# KiCad board hvd-68-vhdci-panel.kicad_pcb (continued)
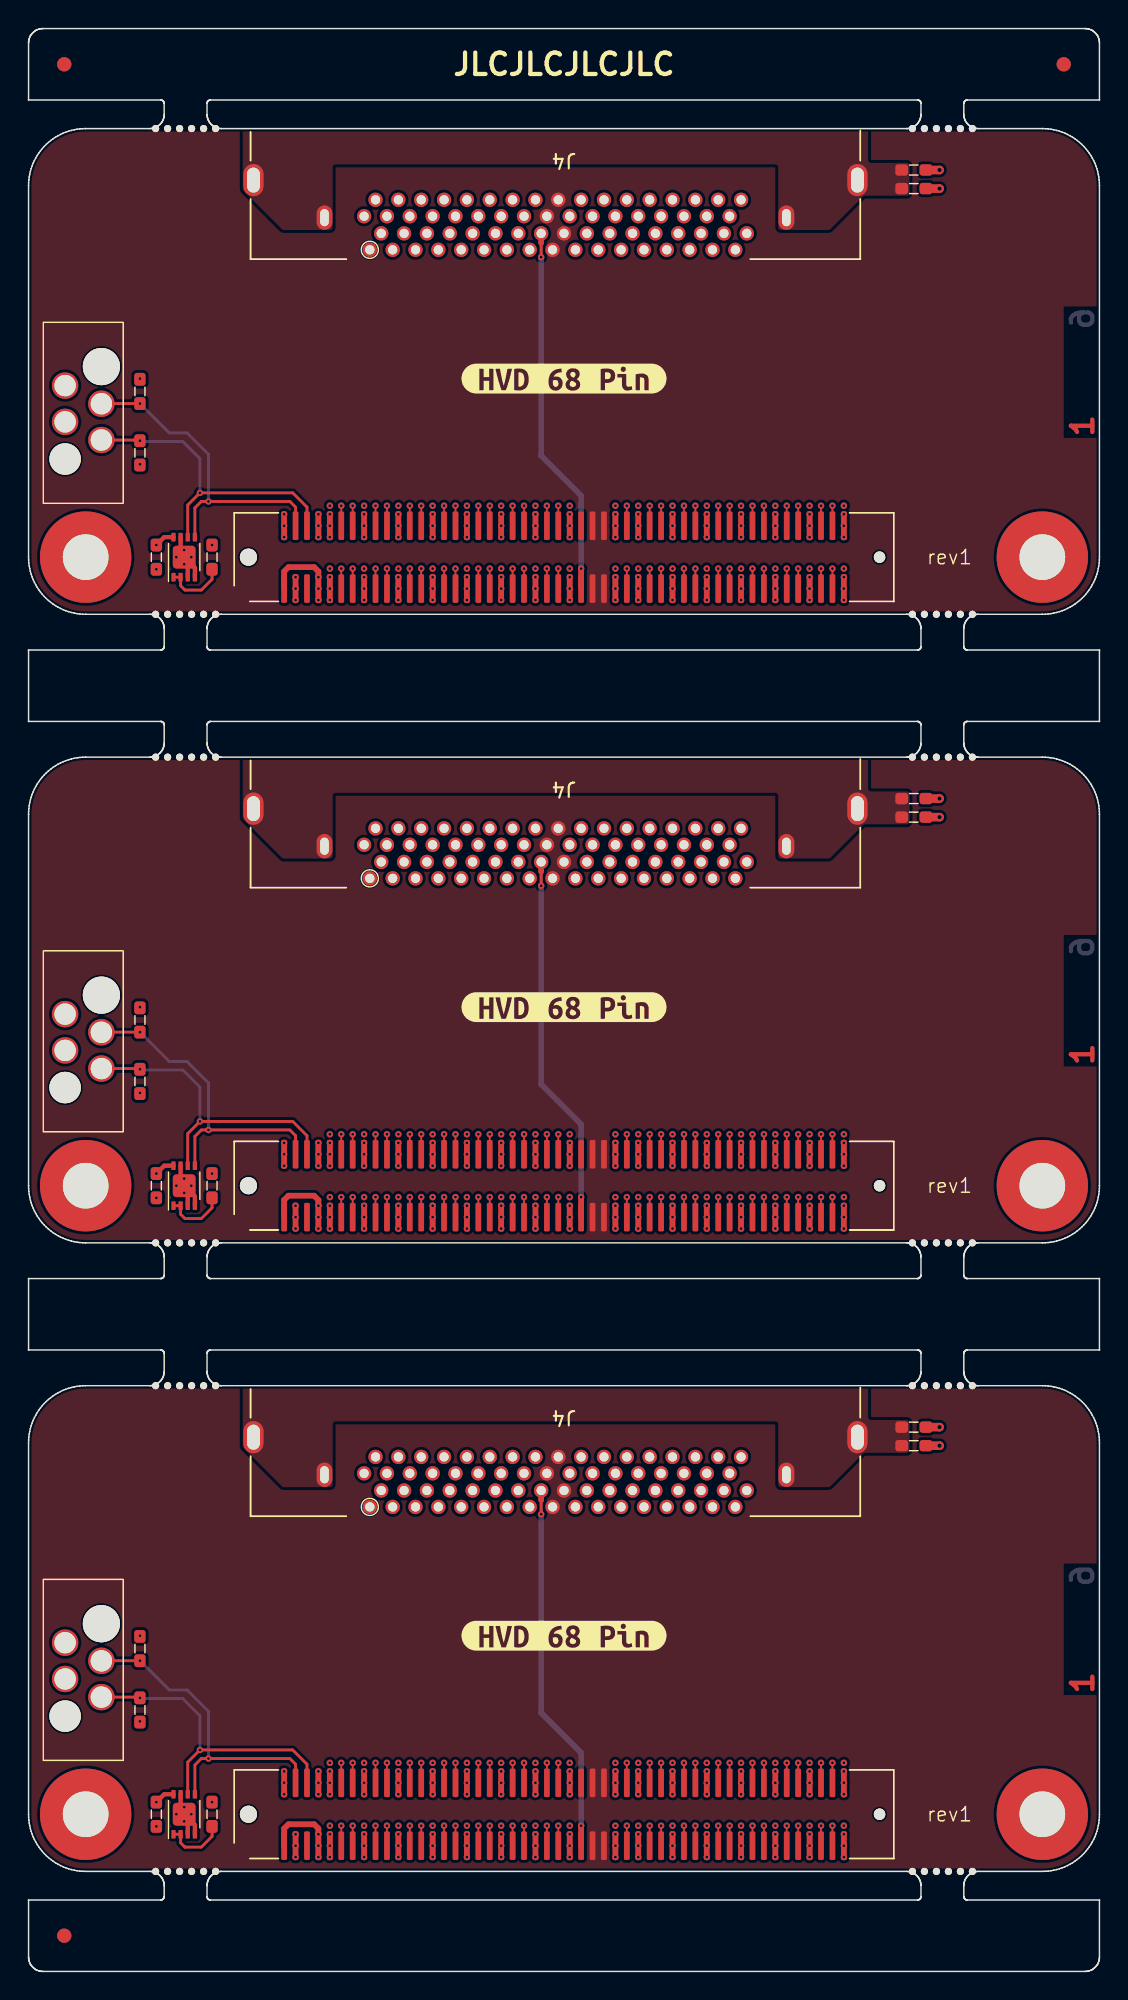
[diagram p0: board, top side]
## Routing (per net, layer and track width the routed paths; a pad name or vN(x,y) marks a point on that pad's centre or on a via; arc(x,y) is an arc through that point) (continued)
Board_0-/CON.I/O-: length 27
  Top w0.128: J1.86 v1(51.5,102.6)
  In2.Cu w0.128: v1(51.5,102.6) 45.7,108.4 45.7,110 arc(45.77,110.17) 45.93,110.23 arc(46.1,110.3) 46.16,110.47 46.16,110.6 arc(46.1,110.77) 45.93,110.83 arc(45.77,110.9) 45.7,111.07 45.7,111.2 arc(45.77,111.37) 45.93,111.43 arc(46.1,111.5) 46.16,111.67 46.16,111.8 arc(46.1,111.97) 45.93,112.03 arc(45.77,112.1) 45.7,112.27 45.7,112.4 arc(45.77,112.57) 45.93,112.63 arc(46.1,112.7) 46.16,112.87 46.16,113 arc(46.1,113.17) 45.93,113.23 arc(45.77,113.3) 45.7,113.47 45.7,113.6 arc(45.77,113.77) 45.93,113.83 arc(46.1,113.9) 46.16,114.07 46.16,114.2 arc(46.1,114.37) 45.93,114.43 arc(45.77,114.5) 45.7,114.67 45.7,114.8 arc(45.77,114.97) 45.93,115.03 arc(46.1,115.1) 46.16,115.27 46.16,115.4 arc(46.1,115.57) 45.93,115.63 arc(45.77,115.7) 45.7,115.87 45.7,120.9 46.1,121.3 46.1,122 45.9,122.2 J4#2.63
Board_0-/CON.MSG+: length 29.6
  Top w0.128: J1.73 v1(46.7,98.2)
  In3.Cu w0.128: v1(46.7,98.2) 46.3,98.6 46.3,103 42.5,106.8 42.5,110 arc(42.57,110.17) 42.74,110.24 42.74,110.24 arc(42.91,110.31) 42.98,110.48 42.98,110.6 arc(42.91,110.77) 42.74,110.84 42.74,110.84 arc(42.57,110.91) 42.5,111.08 42.5,111.2 arc(42.57,111.37) 42.74,111.44 42.74,111.44 arc(42.91,111.51) 42.98,111.68 42.98,111.8 arc(42.91,111.97) 42.74,112.04 42.74,112.04 arc(42.57,112.11) 42.5,112.28 42.5,112.4 arc(42.57,112.57) 42.74,112.64 42.74,112.64 arc(42.91,112.71) 42.98,112.88 42.98,113 arc(42.91,113.17) 42.74,113.24 42.74,113.24 arc(42.57,113.31) 42.5,113.48 42.5,113.6 arc(42.57,113.77) 42.74,113.84 42.74,113.84 arc(42.91,113.91) 42.98,114.08 42.98,114.2 arc(42.91,114.37) 42.74,114.44 42.74,114.44 arc(42.57,114.51) 42.5,114.68 42.5,114.8 arc(42.57,114.97) 42.74,115.04 42.74,115.04 arc(42.91,115.11) 42.98,115.28 42.98,115.4 arc(42.91,115.57) 42.74,115.64 42.74,115.64 arc(42.57,115.71) 42.5,115.88 42.5,116 arc(42.57,116.17) 42.74,116.24 42.74,116.24 arc(42.91,116.31) 42.98,116.48 42.98,116.6 arc(42.91,116.77) 42.74,116.84 42.74,116.84 arc(42.57,116.91) 42.5,117.08 42.5,117.2 arc(42.57,117.37) 42.74,117.44 42.74,117.44 arc(42.91,117.51) 42.98,117.68 42.98,117.8 arc(42.91,117.97) 42.74,118.04 42.74,118.04 arc(42.57,118.11) 42.5,118.28 42.5,119.92 J4#2.25
Board_0-/CON.MSG-: length 27
  Top w0.128: J1.74 v1(46.7,102.6)
  In2.Cu w0.128: J4#2.59 42.7,122.2 42.9,122 42.9,121.3 42.5,120.9 42.5,118.17 arc(42.55,118.04) 42.69,117.99 arc(42.82,117.93) 42.87,117.8 42.87,117.57 arc(42.82,117.44) 42.69,117.39 arc(42.55,117.33) 42.5,117.2 42.5,117.02 arc(42.56,116.87) 42.71,116.81 arc(42.86,116.75) 42.92,116.6 42.92,116.42 arc(42.86,116.27) 42.71,116.21 arc(42.56,116.15) 42.5,116 42.5,115.82 arc(42.56,115.67) 42.71,115.61 arc(42.86,115.55) 42.92,115.4 42.92,115.22 arc(42.86,115.07) 42.71,115.01 arc(42.56,114.95) 42.5,114.8 42.5,114.62 arc(42.56,114.47) 42.71,114.41 arc(42.86,114.35) 42.92,114.2 42.92,114.02 arc(42.86,113.87) 42.71,113.81 arc(42.56,113.75) 42.5,113.6 42.5,113.42 arc(42.56,113.27) 42.71,113.21 arc(42.86,113.15) 42.92,113 42.92,112.82 arc(42.86,112.67) 42.71,112.61 arc(42.56,112.55) 42.5,112.4 42.5,112.22 arc(42.56,112.07) 42.71,112.01 arc(42.86,111.95) 42.92,111.8 42.92,111.62 arc(42.86,111.47) 42.71,111.41 arc(42.56,111.35) 42.5,111.2 42.5,111.02 arc(42.56,110.87) 42.71,110.81 arc(42.86,110.75) 42.92,110.6 42.92,110.42 arc(42.86,110.27) 42.71,110.21 arc(42.56,110.15) 42.5,110 42.5,106.8 v1(46.7,102.6)
Board_0-/CON.REQ+: length 29.6
  Top w0.128: J1.83 v1(50.7,98.2)
  In3.Cu w0.128: v1(50.7,98.2) 50.4,98.5 50.4,102.9 45.3,108 45.3,110 arc(45.24,110.15) 45.09,110.21 arc(44.94,110.28) 44.88,110.42 44.88,110.6 arc(44.94,110.75) 45.09,110.81 arc(45.24,110.88) 45.3,111.02 45.3,111.2 arc(45.24,111.35) 45.09,111.41 arc(44.94,111.48) 44.88,111.62 44.88,111.8 arc(44.94,111.95) 45.09,112.01 arc(45.24,112.08) 45.3,112.22 45.3,112.4 arc(45.24,112.55) 45.09,112.61 arc(44.94,112.68) 44.88,112.82 44.88,113 arc(44.94,113.15) 45.09,113.21 arc(45.24,113.28) 45.3,113.42 45.3,113.6 arc(45.24,113.75) 45.09,113.81 arc(44.94,113.88) 44.88,114.02 44.88,114.2 arc(44.94,114.35) 45.09,114.41 arc(45.24,114.48) 45.3,114.62 45.3,114.8 arc(45.24,114.95) 45.09,115.01 arc(44.94,115.08) 44.88,115.22 44.88,115.4 arc(44.94,115.55) 45.09,115.61 arc(45.24,115.68) 45.3,115.82 45.3,120.1 45.5,120.3 J4#2.28
Board_0-/CON.REQ-: length 27
  Top w0.128: J1.84 v1(50.7,102.6)
  In2.Cu w0.128: v1(50.7,102.6) 45.3,108 45.3,110 arc(45.23,110.17) 45.06,110.24 45.06,110.24 arc(44.89,110.31) 44.82,110.48 44.82,110.6 arc(44.89,110.77) 45.06,110.84 45.06,110.84 arc(45.23,110.91) 45.3,111.08 45.3,111.2 arc(45.23,111.37) 45.06,111.44 45.06,111.44 arc(44.89,111.51) 44.82,111.68 44.82,111.8 arc(44.89,111.97) 45.06,112.04 45.06,112.04 arc(45.23,112.11) 45.3,112.28 45.3,112.4 arc(45.23,112.57) 45.06,112.64 45.06,112.64 arc(44.89,112.71) 44.82,112.88 44.82,113 arc(44.89,113.17) 45.06,113.24 45.06,113.24 arc(45.23,113.31) 45.3,113.48 45.3,120.9 44.9,121.3 44.9,122 45.1,122.2 J4#2.62
Board_0-/CON.RST+: length 29.6
  Top w0.128: J1.71 v1(45.9,98.2)
  In3.Cu w0.128: v1(45.9,98.2) 45.6,98.5 45.6,102.9 42.1,106.4 42.1,110 arc(42.03,110.16) 41.87,110.23 arc(41.71,110.3) 41.64,110.46 41.64,110.6 arc(41.71,110.76) 41.87,110.83 arc(42.03,110.9) 42.1,111.06 42.1,111.2 arc(42.03,111.36) 41.87,111.43 arc(41.71,111.5) 41.64,111.66 41.64,111.8 arc(41.71,111.96) 41.87,112.03 arc(42.03,112.1) 42.1,112.26 42.1,112.4 arc(42.03,112.56) 41.87,112.63 arc(41.71,112.7) 41.64,112.86 41.64,113 arc(41.71,113.16) 41.87,113.23 arc(42.03,113.3) 42.1,113.46 42.1,113.6 arc(42.03,113.76) 41.87,113.83 arc(41.71,113.9) 41.64,114.06 41.64,114.2 arc(41.71,114.36) 41.87,114.43 arc(42.03,114.5) 42.1,114.66 42.1,114.8 arc(42.03,114.96) 41.87,115.03 arc(41.71,115.1) 41.64,115.26 41.64,115.4 arc(41.71,115.56) 41.87,115.63 arc(42.03,115.7) 42.1,115.86 42.1,116 arc(42.04,116.14) 41.9,116.2 arc(41.76,116.26) 41.71,116.4 41.71,116.6 arc(41.76,116.74) 41.9,116.8 arc(42.04,116.86) 42.1,117 42.1,120.1 42.3,120.3 J4#2.24
Board_0-/CON.RST-: length 27
  Top w0.128: J1.72 v1(45.9,102.6)
  In2.Cu w0.128: J4#2.58 41.9,122.2 41.7,122 41.7,121.3 42.1,120.9 42.1,114.68 arc(42.03,114.51) 41.86,114.44 41.84,114.44 arc(41.67,114.37) 41.6,114.2 41.6,114.08 arc(41.67,113.91) 41.84,113.84 41.86,113.84 arc(42.03,113.77) 42.1,113.6 42.1,113.48 arc(42.03,113.31) 41.86,113.24 41.84,113.24 arc(41.67,113.17) 41.6,113 41.6,112.88 arc(41.67,112.71) 41.84,112.64 41.86,112.64 arc(42.03,112.57) 42.1,112.4 42.1,112.28 arc(42.03,112.11) 41.86,112.04 41.84,112.04 arc(41.67,111.97) 41.6,111.8 41.6,111.68 arc(41.67,111.51) 41.84,111.44 41.86,111.44 arc(42.03,111.37) 42.1,111.2 42.1,111.08 arc(42.03,110.91) 41.86,110.84 41.84,110.84 arc(41.67,110.77) 41.6,110.6 41.6,110.48 arc(41.67,110.31) 41.84,110.24 41.86,110.24 arc(42.03,110.17) 42.1,110 42.1,106.4 v1(45.9,102.6)
Board_0-/CON.SEL+: length 29.6
  Top w0.128: J1.77 v1(48.3,98.2)
  In3.Cu w0.128: v1(48.3,98.2) 48,98.5 48,102.9 43.7,107.2 43.7,110 arc(43.64,110.14) 43.5,110.2 arc(43.36,110.26) 43.3,110.4 43.3,110.6 arc(43.36,110.74) 43.5,110.8 arc(43.64,110.86) 43.7,111 43.7,111.2 arc(43.64,111.34) 43.5,111.4 arc(43.36,111.46) 43.3,111.6 43.3,111.8 arc(43.36,111.94) 43.5,112 arc(43.64,112.06) 43.7,112.2 43.7,112.4 arc(43.64,112.54) 43.5,112.6 arc(43.36,112.66) 43.3,112.8 43.3,113 arc(43.36,113.14) 43.5,113.2 arc(43.64,113.26) 43.7,113.4 43.7,113.6 arc(43.64,113.74) 43.5,113.8 arc(43.36,113.86) 43.3,114 43.3,114.2 arc(43.36,114.34) 43.5,114.4 arc(43.64,114.46) 43.7,114.6 43.7,114.8 arc(43.64,114.94) 43.5,115 arc(43.36,115.06) 43.3,115.2 43.3,115.4 arc(43.36,115.54) 43.5,115.6 arc(43.64,115.66) 43.7,115.8 43.7,116 arc(43.64,116.14) 43.5,116.2 arc(43.36,116.26) 43.3,116.4 43.3,116.6 arc(43.36,116.74) 43.5,116.8 arc(43.64,116.86) 43.7,117 43.7,120.1 43.9,120.3 J4#2.26
Board_0-/CON.SEL-: length 27
  Top w0.128: J1.78 v1(48.3,102.6)
  In2.Cu w0.128: J4#2.60 43.5,122.2 43.3,122 43.3,121.3 43.7,120.9 43.7,114.64 arc(43.64,114.48) 43.48,114.42 arc(43.33,114.36) 43.26,114.2 43.26,114.04 arc(43.33,113.88) 43.48,113.82 arc(43.64,113.76) 43.7,113.6 43.7,113.44 arc(43.64,113.28) 43.48,113.22 arc(43.33,113.16) 43.26,113 43.26,112.84 arc(43.33,112.68) 43.48,112.62 arc(43.64,112.56) 43.7,112.4 43.7,112.24 arc(43.64,112.08) 43.48,112.02 arc(43.33,111.96) 43.26,111.8 43.26,111.64 arc(43.33,111.48) 43.48,111.42 arc(43.64,111.36) 43.7,111.2 43.7,111.04 arc(43.64,110.88) 43.48,110.82 arc(43.33,110.76) 43.26,110.6 43.26,110.44 arc(43.33,110.28) 43.48,110.22 arc(43.64,110.16) 43.7,110 43.7,107.2 v1(48.3,102.6)
Board_0-/PHY.ID_SCL: length 22.5
  Top w0.2: J1.6 19.5,102.5 18.5,103.5 v1(12,103.5) 11.15,102.65 U1#3.6 ; v1(7.8,107.15) 7.45,107.15 7.4,107.2 J3#2.4
  Bottom w0.2: v1(7.8,107.15) 7.85,107.1 10.8,107.1 12,105.9 v1(12,103.5)
Board_0-/PHY.ID_SDA: length 23
  Top w0.2: U1#3.5 11.65,102.45 12.1,102.9 18.3,102.9 18.7,102.5 J1.4 ; J3#2.2 5.11,109.75 v1(7.8,109.75)
  Bottom w0.2: v1(7.8,109.75) 9.85,107.7 11.1,107.7 12.6,106.2 v1(12.6,102.9)
Board_0-GND: length 9.9
  Top w0.3: U1#3.3 11.15,98.25 v1(10.9,98.5) ; v1(10.9,99.5) 10.65,99.75 U1#3.7 ; U1#3.EP 11.65,98.25 U1#3.4
  Top w0.4: J1.1 17.9,98 18.2,98.3 20,98.3 20.3,98 v1(20.3,97.6)
  Top w0.6: R4#3.1 v2(63.8,124.8) ; C2#3.2 v2(63.8,126.1)
  vias: v1(8.95,98.15) v1(10.35,99) v1(11.4,99) v1(17.9,102) v1(17.9,101.2) v1(17.9,100.4) v1(20.3,102) v1(20.3,101.2) v1(20.3,100.4) v1(20.3,96.8) v1(20.3,96) v1(21.1,102.6) v1(21.1,102) v1(21.1,101.2) v1(21.1,100.4) v1(21.1,98.2) v1(21.1,97.6) v1(21.1,96.8) v1(21.1,96) v1(23.5,102.6) v1(23.5,102) v1(23.5,101.2) v1(23.5,100.4) v1(23.5,98.2) v1(23.5,97.6) v1(23.5,96.8) v1(23.5,96) v1(25.9,102.6) v1(25.9,102) v1(25.9,101.2) v1(25.9,100.4) v1(25.9,98.2) v1(25.9,97.6) v1(25.9,96.8) v1(25.9,96) v1(28.3,102.6) v1(28.3,102) v1(28.3,101.2) v1(28.3,100.4) v1(28.3,98.2) v1(28.3,97.6) v1(28.3,96.8) v1(28.3,96) v1(30.7,102.6) v1(30.7,102) v1(30.7,101.2) v1(30.7,100.4) v1(30.7,98.2) v1(30.7,97.6) v1(30.7,96.8) v1(30.7,96) v1(33.1,102.6) v1(33.1,102) v1(33.1,101.2) v1(33.1,100.4) v1(33.1,98.2) v1(33.1,97.6) v1(33.1,96.8) v1(33.1,96) v1(35.5,102.6) v1(35.5,102) v1(35.5,101.2) v1(35.5,100.4) v1(35.5,98.2) v1(35.5,97.6) v1(35.5,96.8) v1(35.5,96) v1(37.9,102.6) v1(37.9,102) v1(37.9,101.2) v1(37.9,100.4) v1(37.9,98.2) v1(37.9,97.6) v1(37.9,96.8) v1(37.9,96) v1(41.1,102.6) v1(41.1,102) v1(41.1,101.2) v1(41.1,100.4) v1(41.1,98.2) v1(41.1,97.6) v1(41.1,96.8) v1(41.1,96) v1(42.7,102.6) v1(42.7,102) v1(42.7,101.2) v1(42.7,100.4) v1(42.7,98.2) v1(42.7,97.6) v1(42.7,96.8) v1(42.7,96) v1(45.1,102.6) v1(45.1,102) v1(45.1,101.2) v1(45.1,100.4) v1(45.1,98.2) v1(45.1,97.6) v1(45.1,96.8) v1(45.1,96) v1(47.5,102.6) v1(47.5,102) v1(47.5,101.2) v1(47.5,100.4) v1(47.5,98.2) v1(47.5,97.6) v1(47.5,96.8) v1(47.5,96) v1(49.9,102.6) v1(49.9,102) v1(49.9,101.2) v1(49.9,100.4) v1(49.9,98.2) v1(49.9,97.6) v1(49.9,96.8) v1(49.9,96) v1(52.3,102.6) v1(52.3,102) v1(52.3,101.2) v1(52.3,100.4) v1(52.3,98.2) v1(52.3,97.6) v1(52.3,96.8) v1(52.3,96) v1(54.7,102.6) v1(54.7,102) v1(54.7,101.2) v1(54.7,100.4) v1(54.7,98.2) v1(54.7,97.6) v1(54.7,96.8) v1(54.7,96) v1(57.1,102.6) v1(57.1,102) v1(57.1,101.2) v1(57.1,100.4) v1(57.1,98.2) v1(57.1,97.6) v1(57.1,96.8) v1(57.1,96)
Board_0-Net-(U1-E0): length 4.4
  Top w0.2: R1#2.1 12.85,97.45 12.1,96.7 10.95,96.7 10.65,97 U1#3.2 U1#3.1
Board_1-+3V3: length 1.4
  Top w0.3: v1(8.95,55.85) 9.5,56.4 U1#2.8
  vias: v1(7.8,67.5) v1(7.8,61.5) v1(12.85,55.85) v1(18.7,53.6) v1(18.7,52.8) v1(18.7,52)
Board_1-/CON.ACK+: length 29.6
  Top w0.128: J1#2.67 v1(44.3,54.2)
  In3.Cu w0.128: v1(44.3,54.2) 43.9,54.6 43.9,59 40.9,62 40.9,64.8 arc(40.97,64.97) 41.14,65.04 41.15,65.04 arc(41.32,65.11) 41.39,65.28 41.39,65.4 arc(41.32,65.57) 41.15,65.64 41.14,65.64 arc(40.97,65.71) 40.9,65.88 40.9,66 arc(40.96,66.16) 41.12,66.22 arc(41.27,66.29) 41.34,66.44 41.34,66.6 arc(41.27,66.76) 41.12,66.82 arc(40.96,66.89) 40.9,67.04 40.9,67.2 arc(40.96,67.36) 41.12,67.42 arc(41.27,67.49) 41.34,67.64 41.34,67.8 arc(41.27,67.96) 41.12,68.02 arc(40.96,68.09) 40.9,68.24 40.9,68.4 arc(40.96,68.56) 41.12,68.62 arc(41.27,68.69) 41.34,68.84 41.34,69 arc(41.27,69.16) 41.12,69.22 arc(40.96,69.29) 40.9,69.44 40.9,69.6 arc(40.96,69.76) 41.12,69.82 arc(41.27,69.89) 41.34,70.04 41.34,70.2 arc(41.27,70.36) 41.12,70.42 arc(40.96,70.49) 40.9,70.64 40.9,70.8 arc(40.96,70.96) 41.12,71.02 arc(41.27,71.09) 41.34,71.24 41.34,71.4 arc(41.27,71.56) 41.12,71.62 arc(40.96,71.69) 40.9,71.84 40.9,72 arc(40.97,72.17) 41.14,72.24 41.15,72.24 arc(41.32,72.31) 41.39,72.48 41.39,72.6 arc(41.32,72.77) 41.15,72.84 41.14,72.84 arc(40.97,72.91) 40.9,73.08 40.9,73.2 arc(40.97,73.37) 41.14,73.44 41.15,73.44 arc(41.32,73.51) 41.39,73.68 41.39,73.8 arc(41.32,73.97) 41.15,74.04 41.14,74.04 arc(40.97,74.11) 40.9,74.28 40.9,75.92 J4#3.23
Board_1-/CON.ACK-: length 27
  Top w0.128: J1#2.68 v1(44.3,58.6)
  In2.Cu w0.128: v1(44.3,58.6) 40.9,62 40.9,64.8 arc(40.97,64.97) 41.14,65.04 arc(41.31,65.11) 41.38,65.28 41.38,65.4 arc(41.31,65.57) 41.14,65.64 arc(40.97,65.71) 40.9,65.88 40.9,66 arc(40.95,66.13) 41.08,66.18 arc(41.21,66.24) 41.27,66.37 41.27,66.6 arc(41.21,66.73) 41.08,66.78 arc(40.95,66.84) 40.9,66.97 40.9,67.2 arc(40.95,67.33) 41.08,67.38 arc(41.21,67.44) 41.27,67.57 41.27,67.8 arc(41.21,67.93) 41.08,67.98 arc(40.95,68.04) 40.9,68.17 40.9,68.4 arc(40.95,68.53) 41.08,68.59 arc(41.21,68.64) 41.27,68.77 41.27,69 arc(41.21,69.13) 41.08,69.19 arc(40.95,69.24) 40.9,69.37 40.9,69.6 arc(40.95,69.73) 41.08,69.79 arc(41.21,69.84) 41.27,69.97 41.27,70.2 arc(41.21,70.33) 41.08,70.39 arc(40.95,70.44) 40.9,70.57 40.9,70.8 arc(40.96,70.95) 41.11,71.01 arc(41.26,71.07) 41.32,71.22 41.32,71.4 arc(41.26,71.55) 41.11,71.61 arc(40.96,71.67) 40.9,71.82 40.9,72 arc(40.96,72.15) 41.11,72.21 arc(41.26,72.27) 41.32,72.42 41.32,72.6 arc(41.26,72.75) 41.11,72.81 arc(40.96,72.87) 40.9,73.02 40.9,73.2 arc(40.96,73.35) 41.11,73.41 arc(41.26,73.47) 41.32,73.62 41.32,73.8 arc(41.26,73.95) 41.11,74.01 arc(40.96,74.07) 40.9,74.22 40.9,76.9 41.3,77.3 41.3,78 41.1,78.2 J4#3.57
Board_1-/CON.ATN+: length 29.6
  Top w0.128: J1#2.61 v1(41.9,54.2)
  In3.Cu w0.128: J4#3.20 39.1,76.3 38.9,76.1 38.9,73.08 arc(38.83,72.91) 38.66,72.84 38.65,72.84 arc(38.48,72.77) 38.41,72.6 38.41,72.48 arc(38.48,72.31) 38.65,72.24 38.66,72.24 arc(38.83,72.17) 38.9,72 38.9,71.88 arc(38.83,71.71) 38.66,71.64 38.65,71.64 arc(38.48,71.57) 38.41,71.4 38.41,71.28 arc(38.48,71.11) 38.65,71.04 38.66,71.04 arc(38.83,70.97) 38.9,70.8 38.9,70.68 arc(38.83,70.51) 38.66,70.44 38.65,70.44 arc(38.48,70.37) 38.41,70.2 38.41,70.08 arc(38.48,69.91) 38.65,69.84 38.66,69.84 arc(38.83,69.77) 38.9,69.6 38.9,69.48 arc(38.83,69.31) 38.66,69.24 38.65,69.24 arc(38.48,69.17) 38.41,69 38.41,68.88 arc(38.48,68.71) 38.65,68.64 38.66,68.64 arc(38.83,68.57) 38.9,68.4 38.9,68.28 arc(38.83,68.11) 38.66,68.04 38.65,68.04 arc(38.48,67.97) 38.41,67.8 38.41,67.68 arc(38.48,67.51) 38.65,67.44 38.66,67.44 arc(38.83,67.37) 38.9,67.2 38.9,67.08 arc(38.83,66.91) 38.66,66.84 38.65,66.84 arc(38.48,66.77) 38.41,66.6 38.41,66.48 arc(38.48,66.31) 38.65,66.24 38.66,66.24 arc(38.83,66.17) 38.9,66 38.9,61.6 41.6,58.9 41.6,54.5 v1(41.9,54.2)
Board_1-/CON.ATN-: length 27
  Top w0.128: J1#2.62 v1(41.9,58.6)
  In2.Cu w0.128: v1(41.9,58.6) 38.9,61.6 38.9,66 arc(38.83,66.17) 38.67,66.24 arc(38.5,66.3) 38.43,66.47 38.43,66.6 arc(38.5,66.77) 38.67,66.84 arc(38.83,66.9) 38.9,67.07 38.9,67.2 arc(38.83,67.37) 38.67,67.44 arc(38.5,67.5) 38.43,67.67 38.43,67.8 arc(38.5,67.97) 38.67,68.04 arc(38.83,68.1) 38.9,68.27 38.9,68.4 arc(38.83,68.57) 38.67,68.64 arc(38.5,68.7) 38.43,68.87 38.43,69 arc(38.5,69.17) 38.67,69.24 arc(38.83,69.3) 38.9,69.47 38.9,69.6 arc(38.83,69.77) 38.67,69.84 arc(38.5,69.9) 38.43,70.07 38.43,70.2 arc(38.5,70.37) 38.67,70.44 arc(38.83,70.5) 38.9,70.67 38.9,70.8 arc(38.83,70.97) 38.67,71.04 arc(38.5,71.1) 38.43,71.27 38.43,71.4 arc(38.5,71.57) 38.67,71.64 arc(38.83,71.7) 38.9,71.87 38.9,76.9 38.5,77.3 38.5,78 38.7,78.2 J4#3.54
Board_1-/CON.BSY+: length 29.6
  Top w0.128: J1#2.65 v1(43.5,54.2)
  In3.Cu w0.128: J4#3.22 40.7,76.3 40.5,76.1 40.5,73.08 arc(40.43,72.91) 40.26,72.84 40.25,72.84 arc(40.08,72.77) 40.01,72.6 40.01,72.48 arc(40.08,72.31) 40.25,72.24 40.26,72.24 arc(40.43,72.17) 40.5,72 40.5,71.88 arc(40.43,71.71) 40.26,71.64 40.25,71.64 arc(40.08,71.57) 40.01,71.4 40.01,71.28 arc(40.08,71.11) 40.25,71.04 40.26,71.04 arc(40.43,70.97) 40.5,70.8 40.5,70.68 arc(40.43,70.51) 40.26,70.44 40.25,70.44 arc(40.08,70.37) 40.01,70.2 40.01,70.08 arc(40.08,69.91) 40.25,69.84 40.26,69.84 arc(40.43,69.77) 40.5,69.6 40.5,69.48 arc(40.43,69.31) 40.26,69.24 40.25,69.24 arc(40.08,69.17) 40.01,69 40.01,68.88 arc(40.08,68.71) 40.25,68.64 40.26,68.64 arc(40.43,68.57) 40.5,68.4 40.5,68.28 arc(40.43,68.11) 40.26,68.04 40.25,68.04 arc(40.08,67.97) 40.01,67.8 40.01,67.68 arc(40.08,67.51) 40.25,67.44 40.26,67.44 arc(40.43,67.37) 40.5,67.2 40.5,67.08 arc(40.43,66.91) 40.26,66.84 40.25,66.84 arc(40.08,66.77) 40.01,66.6 40.01,66.48 arc(40.08,66.31) 40.25,66.24 40.26,66.24 arc(40.43,66.17) 40.5,66 40.5,61.6 43.2,58.9 43.2,54.5 v1(43.5,54.2)
Board_1-/CON.BSY-: length 27
  Top w0.128: J1#2.66 v1(43.5,58.6)
  In2.Cu w0.128: v1(43.5,58.6) 40.5,61.6 40.5,66 arc(40.43,66.17) 40.27,66.24 arc(40.1,66.3) 40.03,66.47 40.03,66.6 arc(40.1,66.77) 40.27,66.84 arc(40.43,66.9) 40.5,67.07 40.5,67.2 arc(40.43,67.37) 40.27,67.44 arc(40.1,67.5) 40.03,67.67 40.03,67.8 arc(40.1,67.97) 40.27,68.04 arc(40.43,68.1) 40.5,68.27 40.5,68.4 arc(40.43,68.57) 40.27,68.64 arc(40.1,68.7) 40.03,68.87 40.03,69 arc(40.1,69.17) 40.27,69.24 arc(40.43,69.3) 40.5,69.47 40.5,69.6 arc(40.43,69.77) 40.27,69.84 arc(40.1,69.9) 40.03,70.07 40.03,70.2 arc(40.1,70.37) 40.27,70.44 arc(40.43,70.5) 40.5,70.67 40.5,70.8 arc(40.43,70.97) 40.27,71.04 arc(40.1,71.1) 40.03,71.27 40.03,71.4 arc(40.1,71.57) 40.27,71.64 arc(40.43,71.7) 40.5,71.87 40.5,76.9 40.1,77.3 40.1,78 40.3,78.2 J4#3.56
Board_1-/CON.C/D+: length 29.6
  Top w0.128: J1#2.79 v1(49.1,54.2)
  In3.Cu w0.128: J4#3.27 44.1,75.92 44.1,74.25 arc(44.17,74.09) 44.32,74.02 arc(44.48,73.96) 44.55,73.8 44.55,73.65 arc(44.48,73.49) 44.32,73.42 arc(44.17,73.36) 44.1,73.2 44.1,73.05 arc(44.17,72.89) 44.32,72.82 arc(44.48,72.76) 44.55,72.6 44.55,72.45 arc(44.48,72.29) 44.32,72.22 arc(44.17,72.16) 44.1,72 44.1,71.85 arc(44.17,71.69) 44.32,71.62 arc(44.48,71.56) 44.55,71.4 44.55,71.25 arc(44.48,71.09) 44.32,71.02 arc(44.17,70.96) 44.1,70.8 44.1,70.65 arc(44.17,70.49) 44.32,70.42 arc(44.48,70.36) 44.55,70.2 44.55,70.05 arc(44.48,69.89) 44.32,69.82 arc(44.17,69.76) 44.1,69.6 44.1,69.45 arc(44.17,69.29) 44.32,69.22 arc(44.48,69.16) 44.55,69 44.55,68.85 arc(44.48,68.69) 44.32,68.62 arc(44.17,68.56) 44.1,68.4 44.1,68.25 arc(44.17,68.09) 44.32,68.02 arc(44.48,67.96) 44.55,67.8 44.55,67.65 arc(44.48,67.49) 44.32,67.42 arc(44.17,67.36) 44.1,67.2 44.1,67.05 arc(44.17,66.89) 44.32,66.82 arc(44.48,66.76) 44.55,66.6 44.55,66.45 arc(44.48,66.29) 44.32,66.22 arc(44.17,66.16) 44.1,66 44.1,63.6 48.7,59 48.7,54.6 v1(49.1,54.2)
Board_1-/CON.C/D-: length 27
  Top w0.128: J1#2.80 v1(49.1,58.6)
  In2.Cu w0.128: v1(49.1,58.6) 44.1,63.6 44.1,66 arc(44.15,66.12) 44.27,66.17 arc(44.39,66.22) 44.44,66.35 44.44,66.6 arc(44.39,66.72) 44.27,66.77 arc(44.15,66.82) 44.1,66.95 44.1,67.2 arc(44.15,67.32) 44.27,67.37 arc(44.39,67.42) 44.44,67.55 44.44,67.8 arc(44.39,67.92) 44.27,67.97 arc(44.15,68.02) 44.1,68.15 44.1,68.4 arc(44.16,68.54) 44.3,68.6 arc(44.44,68.66) 44.49,68.8 44.49,69 arc(44.44,69.14) 44.3,69.2 arc(44.16,69.26) 44.1,69.4 44.1,69.6 arc(44.16,69.74) 44.3,69.8 arc(44.44,69.86) 44.49,70 44.49,70.2 arc(44.44,70.34) 44.3,70.4 arc(44.16,70.46) 44.1,70.6 44.1,70.8 arc(44.16,70.94) 44.3,71 arc(44.44,71.06) 44.49,71.2 44.49,71.4 arc(44.44,71.54) 44.3,71.6 arc(44.16,71.66) 44.1,71.8 44.1,72 arc(44.16,72.14) 44.3,72.2 arc(44.44,72.26) 44.49,72.4 44.49,72.6 arc(44.44,72.74) 44.3,72.8 arc(44.16,72.86) 44.1,73 44.1,73.2 arc(44.15,73.32) 44.27,73.37 arc(44.39,73.42) 44.44,73.55 44.44,73.8 arc(44.39,73.92) 44.27,73.97 arc(44.15,74.02) 44.1,74.15 44.1,76.9 44.5,77.3 44.5,78 44.3,78.2 J4#3.61
Board_1-/CON.DB0+: length 29.6
  Top w0.128: J1#2.25 v1(27.5,54.2)
  In3.Cu w0.128: J4#3.7 28.1,75.92 28.1,73.87 arc(28.17,73.71) 28.34,73.64 arc(28.5,73.57) 28.57,73.4 28.57,73.27 arc(28.5,73.11) 28.34,73.04 arc(28.17,72.97) 28.1,72.8 28.1,72.67 arc(28.17,72.51) 28.34,72.44 arc(28.5,72.37) 28.57,72.2 28.57,72.07 arc(28.5,71.91) 28.34,71.84 arc(28.17,71.77) 28.1,71.6 28.1,71.47 arc(28.17,71.31) 28.34,71.24 arc(28.5,71.17) 28.57,71 28.57,70.87 arc(28.5,70.71) 28.34,70.64 arc(28.17,70.57) 28.1,70.4 28.1,70.27 arc(28.17,70.11) 28.34,70.04 arc(28.5,69.97) 28.57,69.8 28.57,69.67 arc(28.5,69.51) 28.34,69.44 arc(28.17,69.37) 28.1,69.2 28.1,69.07 arc(28.17,68.91) 28.34,68.84 arc(28.5,68.77) 28.57,68.6 28.57,68.47 arc(28.5,68.31) 28.34,68.24 arc(28.17,68.17) 28.1,68 28.1,67.87 arc(28.17,67.71) 28.34,67.64 arc(28.5,67.57) 28.57,67.4 28.57,67.27 arc(28.5,67.11) 28.34,67.04 arc(28.17,66.97) 28.1,66.8 28.1,66.67 arc(28.17,66.51) 28.34,66.44 arc(28.5,66.37) 28.57,66.2 28.57,66.07 arc(28.5,65.91) 28.34,65.84 arc(28.17,65.77) 28.1,65.6 28.1,65.47 arc(28.17,65.31) 28.34,65.24 arc(28.5,65.17) 28.57,65 28.57,64.87 arc(28.5,64.71) 28.34,64.64 arc(28.17,64.57) 28.1,64.4 28.1,64.27 arc(28.17,64.11) 28.34,64.04 arc(28.5,63.97) 28.57,63.8 28.57,63.67 arc(28.5,63.51) 28.34,63.44 arc(28.17,63.37) 28.1,63.2 28.1,63.07 arc(28.17,62.91) 28.34,62.84 arc(28.5,62.77) 28.57,62.6 28.57,62.47 arc(28.5,62.31) 28.34,62.24 arc(28.17,62.17) 28.1,62 28.1,59.2 27.8,58.9 27.8,54.5 v1(27.5,54.2)
Board_1-/CON.DB0-: length 27
  Top w0.128: J1#2.26 v1(27.5,58.6)
  In2.Cu w0.128: J4#3.41 28.3,78.2 28.5,78 28.5,77.3 28.1,76.9 28.1,72.68 arc(28.17,72.51) 28.34,72.44 28.34,72.44 arc(28.51,72.37) 28.58,72.2 28.58,72.08 arc(28.51,71.91) 28.34,71.84 28.34,71.84 arc(28.17,71.77) 28.1,71.6 28.1,71.42 arc(28.16,71.27) 28.31,71.21 arc(28.46,71.15) 28.52,71 28.52,70.82 arc(28.46,70.67) 28.31,70.61 arc(28.16,70.55) 28.1,70.4 28.1,70.22 arc(28.16,70.07) 28.31,70.01 arc(28.46,69.95) 28.52,69.8 28.52,69.62 arc(28.46,69.47) 28.31,69.41 arc(28.16,69.35) 28.1,69.2 28.1,69.08 arc(28.17,68.91) 28.34,68.84 28.34,68.84 arc(28.51,68.77) 28.58,68.6 28.58,68.48 arc(28.51,68.31) 28.34,68.24 28.34,68.24 arc(28.17,68.17) 28.1,68 28.1,67.88 arc(28.17,67.71) 28.34,67.64 28.34,67.64 arc(28.51,67.57) 28.58,67.4 28.58,67.28 arc(28.51,67.11) 28.34,67.04 28.34,67.04 arc(28.17,66.97) 28.1,66.8 28.1,66.68 arc(28.17,66.51) 28.34,66.44 28.34,66.44 arc(28.51,66.37) 28.58,66.2 28.58,66.08 arc(28.51,65.91) 28.34,65.84 28.34,65.84 arc(28.17,65.77) 28.1,65.6 28.1,65.48 arc(28.17,65.31) 28.34,65.24 28.34,65.24 arc(28.51,65.17) 28.58,65 28.58,64.88 arc(28.51,64.71) 28.34,64.64 28.34,64.64 arc(28.17,64.57) 28.1,64.4 28.1,64.28 arc(28.17,64.11) 28.34,64.04 28.34,64.04 arc(28.51,63.97) 28.58,63.8 28.58,63.68 arc(28.51,63.51) 28.34,63.44 28.34,63.44 arc(28.17,63.37) 28.1,63.2 28.1,63.08 arc(28.17,62.91) 28.34,62.84 28.34,62.84 arc(28.51,62.77) 28.58,62.6 28.58,62.48 arc(28.51,62.31) 28.34,62.24 28.34,62.24 arc(28.17,62.17) 28.1,62 28.1,59.2 v1(27.5,58.6)
Board_1-/CON.DB1+: length 29.6
  Top w0.128: J1#2.29 v1(29.1,54.2)
  In3.Cu w0.128: J4#3.8 29.5,76.3 29.3,76.1 29.3,72.62 arc(29.24,72.47) 29.09,72.41 arc(28.94,72.35) 28.88,72.2 28.88,72.02 arc(28.94,71.87) 29.09,71.81 arc(29.24,71.75) 29.3,71.6 29.3,71.42 arc(29.24,71.27) 29.09,71.21 arc(28.94,71.15) 28.88,71 28.88,70.82 arc(28.94,70.67) 29.09,70.61 arc(29.24,70.55) 29.3,70.4 29.3,70.22 arc(29.24,70.07) 29.09,70.01 arc(28.94,69.95) 28.88,69.8 28.88,69.62 arc(28.94,69.47) 29.09,69.41 arc(29.24,69.35) 29.3,69.2 29.3,69.02 arc(29.24,68.87) 29.09,68.81 arc(28.94,68.75) 28.88,68.6 28.88,68.42 arc(28.94,68.27) 29.09,68.21 arc(29.24,68.15) 29.3,68 29.3,67.82 arc(29.24,67.67) 29.09,67.61 arc(28.94,67.55) 28.88,67.4 28.88,67.22 arc(28.94,67.07) 29.09,67.01 arc(29.24,66.95) 29.3,66.8 29.3,66.62 arc(29.24,66.47) 29.09,66.41 arc(28.94,66.35) 28.88,66.2 28.88,66.02 arc(28.94,65.87) 29.09,65.81 arc(29.24,65.75) 29.3,65.6 29.3,65.42 arc(29.24,65.27) 29.09,65.21 arc(28.94,65.15) 28.88,65 28.88,64.82 arc(28.94,64.67) 29.09,64.61 arc(29.24,64.55) 29.3,64.4 29.3,64.22 arc(29.24,64.07) 29.09,64.01 arc(28.94,63.95) 28.88,63.8 28.88,63.62 arc(28.94,63.47) 29.09,63.41 arc(29.24,63.35) 29.3,63.2 29.3,63.02 arc(29.24,62.87) 29.09,62.81 arc(28.94,62.75) 28.88,62.6 28.88,62.42 arc(28.94,62.27) 29.09,62.21 arc(29.24,62.15) 29.3,62 29.3,59.25 28.8,58.75 28.8,54.5 v1(29.1,54.2)
